# Altium PCB PCB1_backup1.PcbDoc (part 1 of 2) (continued)
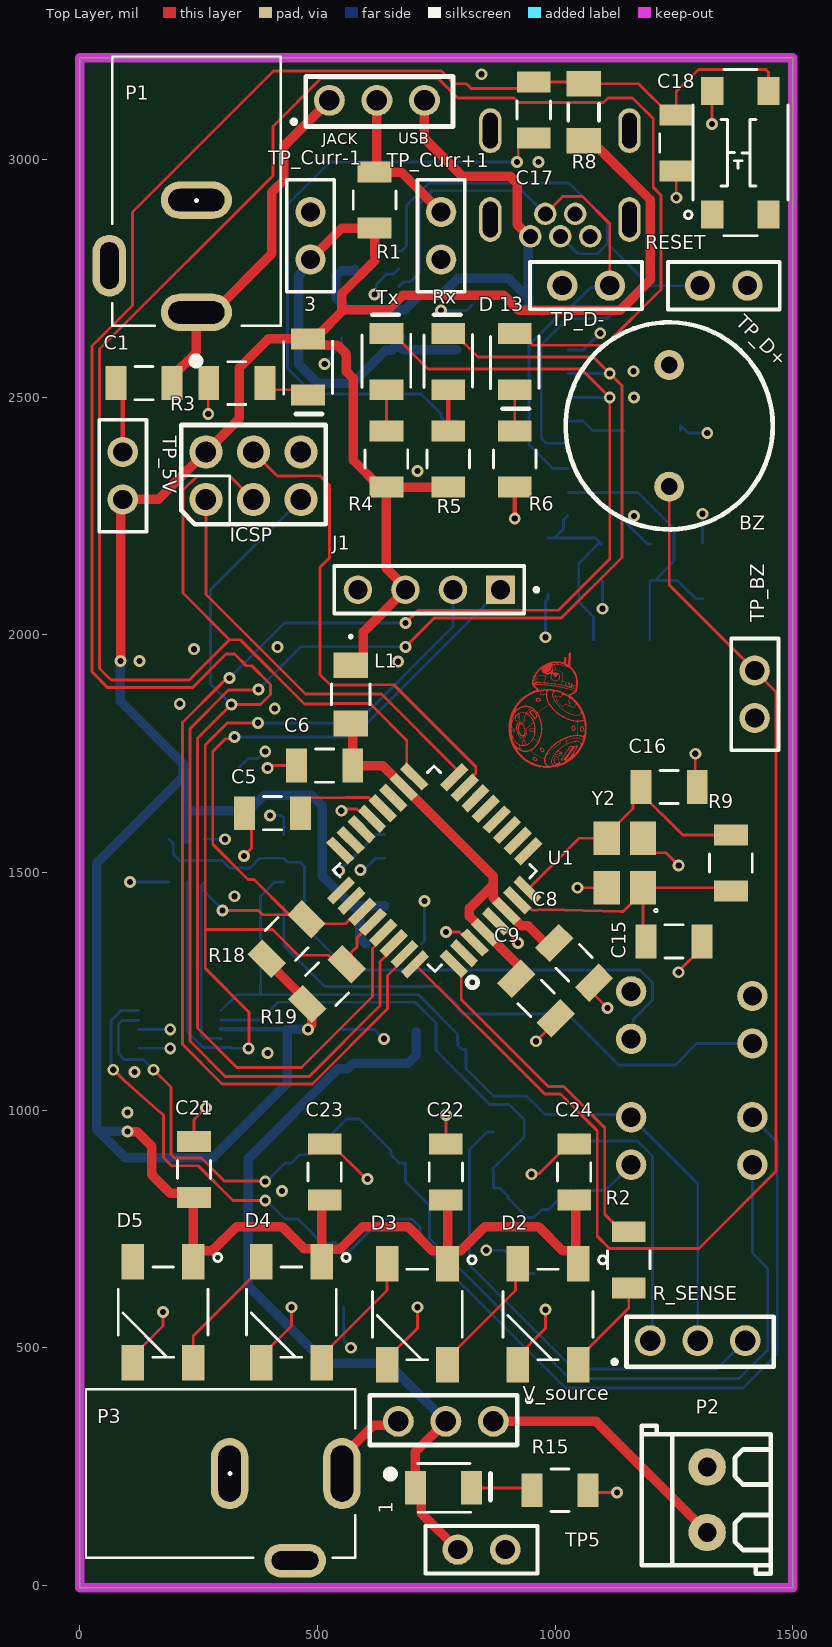
[diagram p0: Top Layer view]
## Components (designator, comment, footprint, x,y, rotation, side; value= is the part's Value field where it differs from the comment) (continued)
TP_BZ "10x Probe TP" TP_Diff_Probe 1420,1825 r90 top (schematic designator TP6)
TP_Curr+1 "TP_Curr+" TP_Diff_Probe 760,2790 r90 top
TP_Curr-1 "TP_Curr-" TP_Diff_Probe 485,2790 r90 top
TP_D+ "10x Probe TP" TP_Diff_Probe 1305,2735 r0 top
TP_D- "10x Probe TP" TP_Diff_Probe 1115,2735 r180 top
Tx "LED_RED_1206" LED_1206 645,2575 r90 top value=Red (schematic designator Tx1)
U1 "U_ATMega328P" ATMega328P 745,1505 r315 top value="IC MCU 8BIT 32KB FLASH 32TQFP"
U2 "U_USBtoSerial" "USB to serial" 910,2425 r270 bottom value="USB to Serial"
U3 "ADS1115IDGSR" ADC_ADS1115IDGSR 210,1170 r0 bottom
U4 "DAC IC" MCP4725 225,1525 r270 bottom
V_current "10x Probe TP" TP_Diff_Probe 1160,885 r90 bottom (schematic designator TP4)
V_source "SW_3Pin_100mil_Switch" 3_PIN_100mil 870,345 r180 top value="CONN HEADER VERT 3POS 2.54MM" (schematic designator SW3)
V_VRM "10x Probe TP" TP_Diff_Probe 1415,885 r90 bottom (schematic designator TP3)
Y1 "X_12MHz_Res" "Crystal resonator" 1150,2155 r180 bottom value=12MHz
Y2 "X322516MLB4SI" "Crystal resonator" 1145,1520 r90 top value=16MHz
? "MCP6002T-I/SN" SOIC127P600X175-8N 535,1505 r0 bottom

## Footprints (in the part's own frame and the unit in brackets; to place one, negate y for a bottom-side part, rotate by r counter-clockwise, add the part's x,y. Pads: shape width x height; smd on the part's side, far side on the other; paste and mask are expansions set on the pad)
3_PIN_100mil [mm]
  round 1.65 hole 1.1: 1(0,0) 2(2.54,0) 3(5.08,0)
  silkscreen extent -2,-1.4 6.6,1.27, body extent -1.14,-1.27 6.48,1.27, height 8.38
1206_Passive_Capacitor [mil]
  rect 44x71 smd: 1(-59,0) 2(59,0)
  silkscreen extent -19,-35 19,35, body extent -63,-31 63,32, height 50
1206_Passive_Resitor [mil]
  rect 44x71 smd: 1(-59,0) 2(59,0)
  silkscreen extent -19,-45 19,45, body extent -61,-31 61,31, height 26
ADC_ADS1115IDGSR [mm] "*SOP50P490X110-10N"
  rect 1.45x0.3 smd mask+0.025: 1(-2.2,1)
  rect 1.47x0.3 smd mask+0.025: 2(-2.2,0.5) 3(-2.2,0) 4(-2.2,-0.5) 5(-2.2,-1) 6(2.2,-1) 7(2.2,-0.5) 8(2.2,0) 9(2.2,0.5) 10(2.2,1)
  silkscreen extent -2.68,-1.5 1.15,1.68, body extent -2.44,-1.49 2.46,1.51, height 1.1
AIML-1206_ABR-M [mil]
  rect 54x73 smd paste+0 mask+0: 1(-61.5,0) 2(61.5,0)
  silkscreen extent -124,-41 22,41, body extent -66,-36 66,36, height 55
ATMega328P [mm]
  rect 1.65x0.508 smd mask+0.025: 1(4.28,-2.794) 2(4.28,-2.007) 3(4.28,-1.194) 4(4.28,-0.406) 5(4.28,0.406) 6(4.28,1.194) 7(4.28,2.007) 8(4.28,2.794) 17(-4.28,2.794) 18(-4.28,2.007) 19(-4.28,1.194) 20(-4.28,0.406) 21(-4.28,-0.406) 22(-4.28,-1.194) 23(-4.28,-2.007) 24(-4.28,-2.794)
  rect 0.508x1.65 smd mask+0.025: 9(2.843,4.28) 10(2.056,4.28) 11(1.243,4.28) 12(0.455,4.28) 13(-0.357,4.28) 14(-1.145,4.28) 15(-1.958,4.28) 16(-2.745,4.28) 25(-2.745,-4.28) 26(-1.958,-4.28) 27(-1.145,-4.28) 28(-0.357,-4.28) 29(0.455,-4.28) 30(1.243,-4.28) 31(2.056,-4.28) 32(2.843,-4.28)
  silkscreen extent -3.94,-3.81 5.97,3.94, body extent -4.45,-4.47 4.55,4.53, height 1.16
"BUZZER- TH" [mm]
  round 1.6 hole 0.9: 1(0,3.25) 2(0,-3.25)
  silkscreen extent -5.53,-5.54 5.54,5.54, body extent -6,-6 6,8.75, height 9.05
"Crystal resonator" [mm]
  rect 1.8x1.4 smd: 1(-1.32,-1.02) 2(1.32,-1.02) 3(1.32,0.92) 4(-1.32,0.92)
  silkscreen extent -2.63,-1.79 -2.45,-1.61, body extent -1.65,-1.2 1.65,1.2, height 0.8
ICSP [mil]
  round 70 hole 43.31: 1(0,0) 2(0,-100) 3(0,-200) 4(100,0) 5(100,-100) 6(100,-200)
  silkscreen extent -52,-252 157,52, body extent -44,-250 146,50, height 330
JM-4_TSW-104-14-S-S [mil]
  rect 60x60 / inner round 60 / far side rect 60x60 hole 40.16: 01(0,0)
  round 60 hole 40.16: 02(100,0) 03(200,0) 04(300,0)
  silkscreen extent -80,-50 350,50, body extent -55,-50 350,50, height 420
LED_1206 [mil]
  rect 44x71 smd: 1(-59,0) 2(59,0)
  silkscreen extent -54,-51 99,51, body extent -63,-31 63,31, height 28
MCP4725 [mm]
  rrect25% 1.61x0.59 smd: 1(-1.145,0.95) 2(-1.145,0) 3(-1.145,-0.95) 4(1.145,-0.95) 5(1.145,0) 6(1.145,0.95)
  silkscreen extent -2.5,-1.56 0.9,1.56, body extent -1.6,-1.55 1.6,1.55, height 1.45
N-MOSFET [mm]
  rrect50% 1.35x0.59 smd: 1(-1.33,0.95) 2(-1.33,-0.95) 3(1.33,0)
  silkscreen extent -2.28,-1.68 0.89,1.7, body extent -1.55,-1.55 1.45,1.55, height 1.25
"P_Terminal block 3.5mm-pitch" [mm]
  round 2 hole 1: 1(-1.75,0) 2(1.75,0)
  silkscreen extent -3.95,-3.4 3.95,3.5, body extent -3.5,-3.4 3.5,3.4, height 8.4
Power_Jack [mm]
  oval 2x3.8 hole 1.2 slot 3 at 90 deg: 1(0,0) 2(6,0)
  oval 3.3x1.8 hole 1 slot 2.5 at 0 deg: 3(2.5,4.65)
  silkscreen extent -2.79,-4.5 13.68,4.5, body extent -0.76,-4.45 13.64,4.95, height 11.49
RESC3216X60X45ML15T20 [mm] "Chip Resistor, 2-Leads, Body 3.3x1.75mm, IPC Low Density"
  rect 1.35x1.85 smd: 1(-1.525,0) 2(1.525,0)
  silkscreen extent -0.45,-0.82 0.45,0.82, body extent -1.65,-0.87 1.65,0.87, height 0.6
"SERIAL_LED - duplicate" [mil] "Footprint for serial LED"
  rect 74.8x47.5 smd: 1(-106.3,63.5) 2(-106.3,-63.5) 3(106.3,-63.5) 4(106.3,63.5)
  silkscreen extent -124,-94 95,124, body extent -106,-98 106,98, height 63
SOIC127P600X175-8N [mm] "SOIC, 8-Leads, Body 4.90x3.90mm, Pitch 1.27mm, IPC Medium Density"
  rect 1.55x0.6 smd: 1(-2.7,1.905) 2(-2.7,0.635) 3(-2.7,-0.635) 4(-2.7,-1.905) 5(2.7,-1.905) 6(2.7,-0.635) 7(2.7,0.635) 8(2.7,1.905)
  silkscreen extent -2.82,-2.45 1.55,2.88, body extent -3,-2.45 3,2.45, height 1.75
Switch_JLC [mm]
  rect 1.5x1.2 smd: 1(-3.3,1.5) 2(3.3,1.5) 3(-3.3,-1.5) 4(3.3,-1.5)
  silkscreen extent -4.44,-2.54 4.45,3, body extent -3.8,-2.29 3.7,2.21, height 3.7
TP_Diff_Probe [mm]
  round 1.62 hole 1.02: 1(0,0) 2(2.54,0)
  silkscreen extent -1.72,-1.27 4.26,1.26
TVS [mm]
  rect 1x0.7 smd mask+0.025: 1(-1.162,0.95) 2(-1.162,0) 3(-1.162,-0.95) 4(1.2,-0.95) 5(1.2,0) 6(1.2,0.95)
  silkscreen extent -1.65,-1.63 0.76,2.03, body extent -1.37,-1.44 1.38,1.46, height 1.1
"USB to serial" [mil]
  oval 24x86.61 smd: 1(-175,-117) 2(-125,-117) 3(-75,-117) 4(-25,-117) 5(25,-117) 6(75,-117) 7(125,-117) 8(175,-117) 9(175,117) 10(125,117) 11(75,117) 12(25,117) 13(-25,117) 14(-75,117) 15(-125,117) 16(-175,117)
  silkscreen extent -231,-122 201,56, body extent -197,-118 197,118, height 71
USB_MINI_B [mm]
  round 1.2 hole 0.8: 1(-1.58,2.826) 2(-0.78,1.622) 3(0.02,2.826) 4(0.82,1.622) 5(1.62,2.826)
  oval 1.2x2.4 hole 0.8 slot 1.9 at 90 deg: 6(-3.72,1.924) 7(3.72,1.924) 8(-3.72,-2.826) 9(3.72,-2.826)
  silkscreen extent -3.89,-6.42 3.93,3.3, body extent -4.04,-6.83 4.06,3.02, height 3.98

## Part data
1 3 "D 13" Rx Tx: library part CMP-007-00045-1, "Red 621~631nm 1206 Light Emitting Diodes (LED) RoHS", LCSC Part#=C93133, MFR Part #=15-21/R6C-FQ1R1B/2T, Component Type=Standard, Datasheet=https://datasheet.lcsc.com/szlcsc/1811151241_Everlight-Elec-15-21-R6C-FQ1R1B-2T_C93133.pdf, Design Item ID=LED_RED_1206, Pins=2, Source=ECEN5730Lib_2023_05_DS.SchLib, Type=Extended
BZ: library part BUZZER_1, "Buzzers Transducer, Externally Driven Electromechanical/Magnetic 5 V 40mA 2.4kHz 87dB @ 5V, 10cm Through Hole PC Pins", Datasheet=https://www.puiaudio.com/media/SpecSheet/AT-1224-TWT-5V-2-R.pdf, MFR Part #=AT-1224-TWT-5V-2-R
C1 C2 C3 C7 C10 C12 C13 C15 C16 C19 C20 C21 C22 C23 C24: library part CMP-001-00089-1, "22uF ±10% 25V X5R 1206 Multilayer Ceramic Capacitors MLCC - SMD/SMT RoHS", LCSC Part#=C12891, MFR Part #=CL31A226KAHNNNE, Component Type=Standard, Datasheet=https://datasheet.lcsc.com/lcsc/1811031514_Samsung-Electro-Mechanics-CL31A226KAHNNNE_C12891.pdf, Design Item ID=C_22uF_1206, Pins=2, Source=ECEN5730Lib_2023_05_DS.SchLib, Type=basic
C5: library part C_1uF_1206, "MULTILAYER CERAMIC CAPACITORS MLCC - SMD/SMT 1UF 50V 1206 ROHS", LCSC Part#=C1848, MFR Part #=CL31B105KBHNNNE, Digikey Link=https://www.digikey.com/product-detail/en/C1206C105M4RACTU/399-8150-1-ND/3471873/?itemSeq=304982366, Type=Basic
C6 C8 C9: library part CMP-001-00098-1, "22uF ±10% 25V X5R 1206 Multilayer Ceramic Capacitors MLCC - SMD/SMT RoHS", LCSC Part#=C12891, MFR Part #=CL31A226KAHNNNE, Component Type=Standard, Datasheet=https://datasheet.lcsc.com/lcsc/1811031514_Samsung-Electro-Mechanics-CL31A226KAHNNNE_C12891.pdf, Design Item ID=C_22uF_1206, Pins=2, Source=ECEN5730Lib_2023_05_DS.SchLib, Type=basic
C17: library part C_10uF_1206, "10uF ±10% 50V X5R 1206 Multilayer Ceramic Capacitors MLCC - SMD/SMT RoHS", LCSC Part#=C13585, MFR Part #=CL31A106KBHNNNE, Datasheet=https://datasheet.lcsc.com/lcsc/1810221112_Samsung-Electro-Mechanics-CL31A106KBHNNNE_C13585.pdf, Type=Basic
C18: library part CMP-001-00095-1, "MULTILAYER CERAMIC CAPACITORS MLCC - SMD/SMT 1UF 50V 1206 ROHS", LCSC Part#=C1848, MFR Part #=CL31B105KBHNNNE, Component Type=Standard, Design Item ID=C_1uF_1206, Digikey Link=https://www.digikey.com/product-detail/en/C1206C105M4RACTU/399-8150-1-ND/3471873/?itemSeq=304982366, Pins=2, Source=ECEN5730Lib_2023_05_DS.SchLib, Type=Basic
D1: library part CMP-004-00031-1, "TVS SOT-23-6 ROHS", LCSC Part#=C85364, MFR Part #=SRV05-4-P-T7, Component Type=Standard, Datasheet=https://datasheet.lcsc.com/szlcsc/ProTek-Devices-SRV05-4-P-T7_C85364.pdf, Design Item ID=D_TVS_Diode, Pins=6, Source=ECEN5730Lib_2023_05_DS.SchLib, Type=Basic
D2 D3 D4 D5: library part LED_Smart, "LIGHT EMITTING DIODES (LED) RGB 620~630NM RED, 520~530NM GREEN, 465~475NM BLUE 600MCD@16MARED,1200MCD@16MAGREEN,300MCD@16MABLUE TOP VIEW SMD-4 ROHS", LCSC Part#=C2843785, Manufacturer=XINGLIGHT, MFR Part #=XL-5050RGBC-WS2812B, Datasheet=https://datasheet.lcsc.com/lcsc/2301111130_XINGLIGHT-XL-5050RGBC-WS2812B_C2843785.pdf
"DAC O/P" TP1 TP5 TP_5V TP_BZ TP_D+ TP_D- V_current V_VRM: library part TP_Diff_Probe, "Test Point 300 mil centers"
ICSP: library part J_ICSP, "Connector Header Through Hole 6 position 0.079\" (2.00mm)", LCSC Part#=C124384, Digikey Link=https://www.digikey.com/product-detail/en/NRPN032PAEN-RC/S5801-03-ND/804955/?itemSeq=304982355, MFR Part #=NRPN032PAEN-RC, Type=Extended
J1: library part JM_4_PIN_MALE, "Square Pins 2.5mm 6mm -40℃~+105℃ 1 4 3mm 2.54mm Black 1x4P Straight,P=2.54mm  Pin Headers ROHS", LCSC Part#=C2691448, MFR Part #=PZ254V-11-04P, MP=TSW-104-14-S-S
J2: library part CMP-013-000002-1, "Through Hole USB Connectors RoHS", LCSC Part#=C46398, MFR Part #=920-462A2021D10102, Component Type=Standard, Datasheet=https://datasheet.lcsc.com/szlcsc/2103081233_Jing-Extension-of-the-Electronic-Co-920-462A2021D10102_C46398.pdf, Design Item ID=J_USB_B_Mini, Pin Count=9, Source=ECEN5730Lib_2023_05_DS.SchLib, Type=Extended
JACK R_SENSE V_source: library part CMP-002-00126-1, "Connector Header Through Hole 3 position 0.100\" (2.54mm)", LCSC Part#=C49257, MFR Part #=PREC003SAAN-RC, Component Type=Standard, Design Item ID=SW_3Pin_100mil_Switch, Digikey Link=https://www.digikey.com/product-detail/en/PREC003SAAN-RC/S1012EC-03-ND/2774851/?itemSeq=304982371, Pins=3, Source=ECEN5730Lib_2023_05_DS.SchLib, Type=Extended
L1: library part CMP-006-00021-1, "25mA 10uH ±10% 800mO 1206  Inductors (SMD) ROHS", LCSC Part#=C1051, MFR Part #=CMI321609X100KT, Mfr_Name="FH (Guangdong Fenghua Advanced Tech)", Component Type=Standard, Datasheet=https://datasheet.lcsc.com/lcsc/1810311314_FH--Guangdong-Fenghua-Advanced-Tech-CMI321609X100KT_C1051.pdf, Design Item ID=FB_10uH_1206, Pins=2, Source=ECEN5730Lib_2023_05_DS.SchLib, Type=Basic
P1: library part CMP-002-00097-1, "Power Barrel Connector Jack 2.10mm ID (0.083\"), 5.50mm OD (0.217\") Through Hole, Right Angle", LCSC Part#=C136744, MFR Part #=PJ-102A, Component Type=Standard, Design Item ID="P_Power Jack", Digikey Link=https://www.digikey.com/product-detail/en/PJ-102A/CP-102A-ND/275425/?itemSeq=304982367, Pins=3, Source=ECEN5730Lib_2023_05_DS.SchLib, Type=Extended
P2: library part "P_Terminal block", "Green Straight pin 3.5mm  pitch; P=3.5mm  Screw terminal ROHS", LCSC Part#=C474892, Manufacturer="Cixi Kefa Elec", MFR Part #=KF350-3.5-2P, Datasheet=https://datasheet.lcsc.com/lcsc/2001160007_Cixi-Kefa-Elec-KF350-3-5-2P_C474892.pdf
P3: library part "P_Power Jack", "Power Barrel Connector Jack 2.10mm ID (0.083\"), 5.50mm OD (0.217\") Through Hole, Right Angle", LCSC Part#=C136744, MFR Part #=PJ-102A, Digikey Link=https://www.digikey.com/product-detail/en/PJ-102A/CP-102A-ND/275425/?itemSeq=304982367, Type=Extended
Q1: library part Q_Nch_MOSFET, "MOSFET N Trench 30V 5.7A 1.5V @ 250uA 26.5 m? @ 5.7A,10V SOT-23-3L RoHS", LCSC Part#=C20917, Datasheet=https://datasheet.lcsc.com/szlcsc/Alpha-Omega-Semicon-AOS-AO3400A_C20917.pdf, MFR Part #=AO3400A, Type=Basic
R1: library part CMP-009-00210-1, "Resistors/Shunt 250mW 500mO ±800ppm/? ±5% 1206  Current Sense  Resistors ROHS", LCSC Part#=C247433, MFR Part #=1206W4J050KT5E, Component Type=Standard, Datasheet=https://datasheet.lcsc.com/lcsc/1810301438_UNI-ROYAL-Uniroyal-Elec-1206W4J050KT5E_C247433.pdf, Design Item ID=R_500mOhm_1206, Pins=2, Source=ECEN5730Lib_2023_05_DS.SchLib, Type=Extended
R2: library part R_100Ohm_1206, "100Ω ±1% 0.25W ±100ppm/℃ 1206 Chip Resistor - Surface Mount RoHS", LCSC Part#=C17901, MFR Part #=1206W4F1000T5E, Datasheet=https://datasheet.lcsc.com/lcsc/2206010145_UNI-ROYAL-Uniroyal-Elec-1206W4F1000T5E_C17901.pdf, Type=Basic
R3 R4 R5 R6 R15: library part CMP-009-00194-1, "CHIP RESISTOR - SURFACE MOUNT 1KOHMS ±1% 1/4W 1206 ROHS", LCSC Part#=C4410, MFR Part #=RNCP1206FTD1K00CT, Component Type=Standard, Design Item ID=R_1K_1206, Digikey Link=https://www.digikey.com/product-detail/en/RNCP1206FTD1K00/RNCP1206FTD1K00CT-ND/2240675/?itemSeq=304982373, Pins=2, Source=ECEN5730Lib_2023_05_DS.SchLib, Type=Basic
R7 R9: library part R_1M_1206, "CHIP RESISTOR - SURFACE MOUNT 1MOHMS ±1% 1/4W 1206 ROHS", LCSC Part#=C17927, MFR Part #=RMCF1206JT1M00, Digikey Link=https://www.digikey.com/product-detail/en/RMCF1206JT1M00/RMCF1206JT1M00CT-ND/1942830/?itemSeq=304982358, Type=Basic
R8: library part CMP-009-00016-5, "Chip Resistor, 10 KOhm, +/- 1%, 0.25 W, -55 to 155 degC, 1206 (3216 Metric)", Case/Package=1206, Max Operating Temperature=155°C, Min Operating Temperature=-55°C, Power=250mW, Tolerance=1%, Voltage Rating=200V, Mounting Technology=SM, Pins=2, RoHS Compliant=True
R10 R11 R12: library part R_10KOhm_1206, "10 kOhms ±5% 0.25W, 1/4W Chip Resistor 1206 (3216 Metric) Automotive AEC-Q200 Thick Film", LCSC Part#=C17902, MFR Part #=RMCF1206FT10K0, Digikey Link=https://www.digikey.com/en/products/detail/stackpole-electronics-inc/RMCF1206FT10K0/1759669, Type=Basic
R13: library part R_10Ohm_1206, "CHIP RESISTOR - SURFACE MOUNT 0.1OHMS ±1% 1/4W 1206 ROHS", LCSC Part#=C17903, MFR Part #=1206W4F100JT5E, Datasheet=https://datasheet.lcsc.com/szlcsc/Uniroyal-Elec-1206W4F100JT5E_C17903.pdf, Type=Basic
R14: library part R_1Ohm_1206, "1Ω ±5% 0.25W ±400ppm/℃ 1206 Chip Resistor - Surface Mount RoHS", LCSC Part#=C1409, MFR Part #=1206W4J010JT5E, Datasheet=https://datasheet.lcsc.com/lcsc/1810301410_UNI-ROYAL-Uniroyal-Elec-1206W4J010JT5E_C1409.pdf, Type=Extended
R16 R17: library part R_0Ohm_1206, "CHIP RESISTOR - SURFACE MOUNT 0OHMS ±1% 1/4W 1206 ROHS", LCSC Part#=C17888, MFR Part #=1206W4F0000T5E, Datasheet=https://datasheet.lcsc.com/szlcsc/Uniroyal-Elec-1206W4F0000T5E_C17888.pdf, Mouser link=https://www.mouser.com/ProductDetail/Royalohm/1206W4F0000T5E?qs=e8oIoAS2J1Thbopin%252BsagQ%3D%3D, Type=Basic
R18 R19: library part R_4.7k_1206, "4.7kΩ ±1% 0.25W ±100ppm/℃ 1206 Chip Resistor - Surface Mount RoHS", LCSC Part#=C17936, MFR Part #=1206W4F4701T5E, Datasheet=https://datasheet.lcsc.com/lcsc/1810301414_UNI-ROYAL-Uniroyal-Elec-1206W4F4701T5E_C17936.pdf, Type=Basic
RESET: library part CMP-011-00014-1, "Tactile Switch SPST-NO Top Actuated Surface Mount", LCSC Part#=C2837550, MFR Part #=KH-4.5X4.5X4.3H-STM, Component Type=Standard, Datasheet=https://datasheet.lcsc.com/lcsc/2106081532_Shenzhen-Kinghelm-Elec-KH-4.5X4.5X4.3H-STM_C2837550.pdf, Design Item ID=SW_Push_Button_JLC, Pins=4, Source=ECEN5730Lib_2023_05_DS.SchLib, Type=Extended
TP_Curr+1 TP_Curr-1: library part CMP-016-000002-1, "Test Point 300 mil centers", Component Type=Standard, Design Item ID=TP_Diff_Probe, Pin Count=2, Source=ECEN5730Lib_2023_05_DS.SchLib
U1: library part CMP-031-00012-1, "AVR AVR® ATmega Microcontroller IC 8-Bit 20MHz 32KB (16K x 16) FLASH 32-TQFP (7x7)", LCSC Part#=C14877, MFR Part #=ATMEGA328P-AU, Component Type=Standard, Design Item ID=U_ATMega328P, Digikey Link=https://www.digikey.com/product-detail/en/ATMEGA328P-ANR/ATMEGA328P-ANRCT-ND/2774230/?itemSeq=304982365, Pins=32, Source=ECEN5730Lib_2023_05_DS.SchLib, Type=Basic
U2: library part CMP-031-00016-1, "Transceiver USB 2.0 2Mbps SOP-16_150mil USB ICs RoHS", LCSC Part#=C14267, MFR Part #=CH340G, Component Type=Standard, Datasheet=https://datasheet.lcsc.com/lcsc/2008191806_WCH-Jiangsu-Qin-Heng-CH340G_C14267.pdf, Design Item ID=U_USBtoSerial, Pins=16, Source=ECEN5730Lib_2023_05_DS.SchLib, Type=Basic
U3: library part U_ADC_ADS1115IDGSR, "16-Bit ADC with Integrated MUX, PGA, Comparator, Oscillator, and Reference 10-VSSOP -40 to 125", LCSC Part#=C37593, Package="MSOP-10 Texas Instruments", Digikey Link=https://www.digikey.com/product-detail/en/texas-instruments/ADS1115IDGSR/296-38849-1-ND/5142969?utm_source=snapeda&utm_medium=aggregator&utm_campaign=symbol, MFR Part #=ADS1115IDGSR, SnapEDA_Link=https://www.snapeda.com/parts/ADS1115IDGSR/Texas%20Instruments/view-part/?ref=snap, Type=Extended
U4: library part U_MCP4725A0T-E/CH, "IC DAC 12BIT V-OUT SOT23-6", LCSC Part#=C144198, MFR Part #=MCP4725A0T-E/CH, Datasheet=https://ww1.microchip.com/downloads/en/DeviceDoc/22039d.pdf, Type=Extended
Y1: library part CMP-003-00030-1, "SMD Crystal Resonators 12MHz ±10ppm SMD-3225_4P RoHS", LCSC Part#=C9002, MFR Part #=X322512MSB4SI, Component Type=Standard, Datasheet=https://datasheet.lcsc.com/szlcsc/Yangxing-Tech-X322512MSB4SI_C9002.pdf, Design Item ID=X_12MHz_Res, Pins=4, Source=ECEN5730Lib_2023_05_DS.SchLib, Type=Basic
Y2: library part X_16Mhz_Res, "±10ppm 16000000Hz -40℃~85℃ 贴片无源晶振 60Ω 9pF SMD3225-4P Crystals ROHS", LCSC Part#=C13738, MFR Part #=X322516MLB4SI, Type=Basic
?: library part U_MCP6002T-I/SN, "0.6 V/us 2 1MHz 1.8V ~ 6V 100μA General Purpose SOIC-8_150mil  Operational Amplifier ROHS", LCSC Part#=C7377, MFR=Microchip, Datasheet=https://ww1.microchip.com/downloads/en/DeviceDoc/MCP6001-1R-1U-2-4-1-MHz-Low-Power-Op-Amp-DS20001733L.pdf, MFR Part #=MCP6002T-I/SN, Type=Basic

## Via types
v1: diameter 25, hole 13, Top Layer to Bottom Layer, 80 vias

## Nets (pads, with @x,y where several pads share a name; then routed paths per layer and width w, separated by ;. In a path a pad name is that pad's centre, name@x,y a point inside that pad or via, vN(x,y) a via of type N, cw(c..) or ccw(c..) an arc to the next point about the centre after c; other vN are vias at no path point)
5V_JACK: C1.2 JACK.1 P1.1 | length 752.9
  Top Layer w20: C1.2@194,2530 194,2543.5 245,2594.5 P1.1@245,2678.78 280.43,2678.78 404.03,2802.38 404.03,2932.01 429,2956.98 429,3029 JACK.1@525,3125
5V_USB: C3.2 D1.5 J2.1 JACK.3 | length 1125.5
  Top Layer w20: JACK.3@725,3125 725,3045 805,2965 905.78,2965 920,2950.78 920,2864.08 945.34,2838.75 J2.1@947.79,2838.75
  Bottom Layer w20: D1.5@577.76,2770 574.13,2766.38 549.79,2766.38 538.07,2754.66 538.07,2710.53 564.34,2684.26 684.18,2684.26 714.89,2714.97 759.97,2714.97 795.5,2750.5 902,2750.5 938.25,2714.25 944,2708.5 C3.2@944,2695 ; C3.2@943.4,2719.4 943.4,2834.35 J2.1@947.79,2838.75
328_RX: Rx.2 U1.30 U2.2 | length 3211.8
  Top Layer w6: v1(375.5,1885) 374.5,1884 312.94,1884 231.5,1802.56 231.5,1145.31 305.88,1070.94 482.48,1070.94 631.38,1219.83 631.38,1312.28 660.45,1341.35 U1.30@660.45,1351.25 ; v1(685,1975) 746,2036 1013.63,2036 1140.5,2162.87 1140.5,2524.5 v1(1115,2550) 1080.07,2584.93 837.57,2584.93 788.5,2634 Rx.2@775,2634
  Bottom Layer w6: v1(375.5,1885) 465.5,1975 v1(685,1975) ; U2.2@1027,2550 v1(1115,2550)
328_TX: Tx.2 U1.31 U2.3 | length 3334.8
  Top Layer w6: v1(315,1909.5) 309.86,1909.5 302.86,1902.5 302.5,1902.5 215.5,1815.5 215.5,1138.69 299.25,1054.94 489.11,1054.94 647.38,1213.2 647.38,1283.03 683.08,1318.72 U1.31@683.08,1328.62 ; Tx.2@645,2634 658.5,2634 732.57,2559.93 1055.07,2559.93 v1(1115,2500) 1115,2160 1007,2052 712,2052 v1(685,2025)
  Bottom Layer w6: v1(315,1909.5) 430.5,2025 v1(685,2025) ; U2.3@1027,2500 v1(1115,2500)
+5: 3.1 ?.8 C2.1 C7.1 C19.1 C20.1 C21.1 C22.1 C23.1 C24.1 D2.1 D3.1 D4.1 D5.1 ICSP.4 J1.03 L1.1 R1.1 R4.1 R5.1 R8.2 R18.1 R19.1 TP_5V.1 TP_Curr-1.1 U2.16 U3.8 U4.2 | length 8819.8
  Top Layer w20: v1(85,1945) 85.96,1945.96 85.96,2280.96 TP_5V.1@90,2285 90.42,2285.42 165.42,2285.42 194,2314 194,2314.41 264.59,2385 ICSP.4@265,2385 335.39,2455.39 335.39,2562.18 396.22,2623 3.1@480,2623 493.5,2623 3.1@503.75,2633.25 ; v1(100,955) v1(100,955) 120.05,954.95 151.51,923.49 151.51,863.49 189.54,825.46 230.54,825.46 C21.1@240,816 ; D5.1@238.5,681.3 D5.1@238.5,690.44 ; C21.1@238.5,809.5 D5.1@238.5,690.44 ; R18.1@393.28,1318.28 393.28,1313.28 478.28,1228.28 R19.1@478.28,1223.28 487.83,1213.73 487.83,1179.18 480,1171.35 v1(480,1170) ; TP_Curr-1.1@485,2790 551,2856 R1.1@620,2856 620,2787.25 550.84,2718.09 550.84,2680.34 ; D4.1@508.5,681.3 D4.1@508.5,692.94 ; C23.1@515,816 508.5,809.5 D4.1@508.5,694.95 ; L1.1@570,1936.5 579.5,1936.5 596.5,1953.5 596.5,2006.5 J1.03@685,2095 685,2099.85 645,2139.85 R4.1@645,2311 ; C22.1@770,811 773.5,807.5 D3.1@773.5,689.95 ; D3.1@773.5,676.3 D3.1@773.5,689.95 ; R5.1@775,2311 R4.1@645,2311 ; C24.1@1040,811 1043.5,807.5 D2.1@1043.5,689.95 ; D2.1@1043.5,676.3 D2.1@1043.5,689.95 ; R8.2@1060,3039.96 1076.57,3023.39 1092.63,3023.39 1200.08,2915.94 1200.08,2746.69 1136.49,2683.11 923.91,2683.11 892.05,2714.97 679.47,2714.97 648.76,2684.26 554.76,2684.26 550.84,2680.34 ; D5.1@238.5,690.44 252.25,704.19 279.19,704.19 330,755 425,755 471.3,708.7 494.75,708.7 D4.1@508.5,694.95 ; 3.1@503.75,2633.25 550.84,2680.34 ; 3.1@503.75,2633.25 503.75,2612.75 505.5,2611 516.33,2611 517.22,2610.11 541.81,2610.11 560.85,2591.08 560.85,2554.15 575,2540 575,2367.5 631.5,2311 R4.1@645,2311 ; D4.1@508.5,692.94 D4.1@508.5,694.95 ; D4.1@508.5,692.94 522.25,706.69 546.69,706.69 595,755 690,755 741.3,703.7 759.75,703.7 D3.1@773.5,689.95 ; D3.1@773.5,689.95 787.25,703.7 800.9,703.7 852.2,755 964.8,755 1016.1,703.7 1029.75,703.7 D2.1@1043.5,689.95
  Bottom Layer w10: U3.8@296.61,1170 C19.1@436,1170
  Bottom Layer w20: v1(85,1945) 85,1860.5 217,1728.5 C20.1@217,1715 ; v1(100,955) 40,955 ; 223.39,1630 223.39,1708.61 C20.1@217,1715 ; U4.2@225,1570.08 225,1630 355,1630 387.5,1662.5 487.5,1662.5 510,1640 510,1492.51 572.51,1430 ; v1(480,1170) C19.1@436,1170 436,1056 280,900 95,900 40,955 ; TP_Curr-1.1@485,2790 485,2781.39 460,2756.39 460,2570 500,2530 574,2530 643.5,2599.5 657,2599.5 C7.1@669.25,2611.75 ; C2.1@601,1350 589,1362 589,1413.51 572.51,1430 ; ?.8@641.3,1430 572.51,1430 ; C7.1@669,2625 669,2612 C7.1@669.25,2611.75 ; C7.1@674,2625 C7.1@674,2630 ; U2.16@793,2600 681,2600 C7.1@669.25,2611.75 ; 40,955 35,960 35,1519.5 217,1701.5 C20.1@217,1715
A4: J1.01 R18.2 U1.27 U3.9 U4.4 | length 1925.2
  Top Layer w6: v1(300,1420) 375.14,1420 383.88,1411.27 R18.2@440.3,1411.27 ; v1(325,1785) 321.36,1781.36 306.36,1781.36 279.5,1754.5 279.5,1559.44 353.59,1485.35 366.22,1485.35 R18.2@440.3,1411.27 ; U1.27@593.98,1417.72 584.08,1417.72 558.53,1392.17 486.27,1392.17 R18.2@476.72,1401.72 449.85,1401.72 R18.2@440.3,1411.27
  Bottom Layer w6: U3.9@296.61,1150.32 295.83,1151.09 262.29,1151.09 254.68,1158.71 254.68,1472.2 U4.4@262.4,1479.92 262.4,1459.84 300,1422.24 v1(300,1420) ; v1(325,1785) 575,1785 J1.01@885,2095
A5: J1.02 R19.2 U1.28 U3.10 U4.5 | length 2290.6
  Top Layer w6: v1(355,1130) 355.94,1130.94 355.94,1205.94 263.5,1298.38 263.5,1380 ; v1(375,1815) 310,1815 263.5,1768.5 263.5,1380 ; R19.2@561.72,1306.72 542.23,1306.72 522.99,1325.96 459.04,1325.96 405,1380 263.5,1380 ; R19.2@580,1295 570.45,1304.55 570.45,1331.42 582.75,1343.72 582.75,1362.65 U1.28@615.9,1395.8
  Bottom Layer w6: U4.5@225,1479.92 225,1165.76 259.35,1131.41 318.87,1131.41 320.28,1130 320.59,1130.32 354.68,1130.32 v1(355,1130) ; v1(375,1815) 582.37,1815 785,2017.63 J1.02@785,2095
D2: BZ.2 TP_BZ.2 U1.32 | length 2738.4
  Top Layer w6: U1.32@705,1306.7 978.13,1033.56 1011.32,1033.56 1088.5,956.38 1088.5,734.62 1114.12,709 1302.48,709 1464.89,871.41 1464.89,1880.11 TP_BZ.2@1420,1925 1240,2105 BZ.2@1240,2312.05
D3: R2.2 U1.1 | length 743.7
  Top Layer w6: U1.1@786.37,1308.07 802.26,1292.17 802.26,1232.74 985.44,1049.56 1017.95,1049.56 1104.5,963.01 1104.5,781 1141.5,744 R2.2@1155,744
D11: ICSP.5 U1.15 | length 1058
  Top Layer w6: ICSP.5@365,2385 412.83,2337.17 415.76,2334.24 456.32,2334.24 cw(c465,2285) 465.5,2335 503.09,2334.66 505.54,2334.63 507.28,2332.9 525,2315.18 525,2162.53 505,2142.53 505,1916.79 507.93,1913.86 527.29,1894.5 612.71,1894.5 613.21,1895 660.45,1895 832.77,1722.68 832.77,1708.84 809.65,1685.72 U1.15@809.65,1678.65
D12: ICSP.1 U1.16 | length 899.6
  Top Layer w6: ICSP.1@265,2285 265,2085 474.5,1875.5 634.5,1875.5 793.63,1716.37 793.63,1706.47 U1.16@787.73,1700.57
D13: "D 13.1" ICSP.2 U1.17 | length 4308.2
  Top Layer w6: ICSP.2@365,2285 317,2333 245.12,2333 217,2304.88 217,2088 315,1990 ; U1.17@703.63,1701.93 687.74,1717.83 687.74,1777.94 610.17,1855.5 527.29,1855.5 526.79,1855 472.38,1855 337.38,1990 315,1990 ; 915,2634 928.5,2634 953,2609.5 1105.56,2609.5 1223.08,2727.01 1223.08,2925.46 1206.5,2942.04 1206.5,3086.62 1163.12,3130 1111.34,3130 1101.8,3120.46 922.65,3120.46 913.12,3130 795,3130 754.52,3170.48 506.16,3170.48 406,3070.32 406,2966.5 41,2601.5 41,1929 65,1905 230,1905 315,1990
D+: D1.1 J2.3 TP_D+.1 U2.5 | length 1522
  Bottom Layer w6: D1.1@670.77,2807.4 676.67,2807.4 687.45,2818.18 687.45,2903.56 734.78,2950.89 1029.31,2950.89 1110.4,2869.81 1110.4,2823.58 ; J2.3@1010.78,2838.75 1047.41,2802.12 1088.94,2802.12 1110.4,2823.58 ; U2.5@1027,2400 1023.56,2403.44 981.56,2403.44 970.69,2414.31 970.69,2610.36 1026.49,2666.15 1109.63,2666.15 1178.48,2735 1198.97,2735 ; TP_D+.1@1305,2735 1198.97,2735 ; 1110.4,2823.58 1198.97,2735
D-: D1.3 J2.2 TP_D-.1 U2.6 | length 1337.1
  Top Layer w6: J2.2@979.28,2886.14 1015.91,2922.76 1057.44,2922.76 1115,2865.2 TP_D-.1@1115,2735
  Bottom Layer w6: D1.3@670.77,2732.6 681.39,2743.22 695.84,2743.22 715.11,2762.49 715.11,2908.59 741.41,2934.89 930.53,2934.89 J2.2@979.28,2886.14 ; U2.6@1027,2350 995.69,2350 945,2400.69 945,2610 1017.15,2682.15 1025.63,2682.15 1074.11,2730.63 1110.63,2730.63 TP_D-.1@1115,2735